# KiCad board PANEL.kicad_pcb
title: zensai65_UNI_i5; rev: v6; company: shoonie
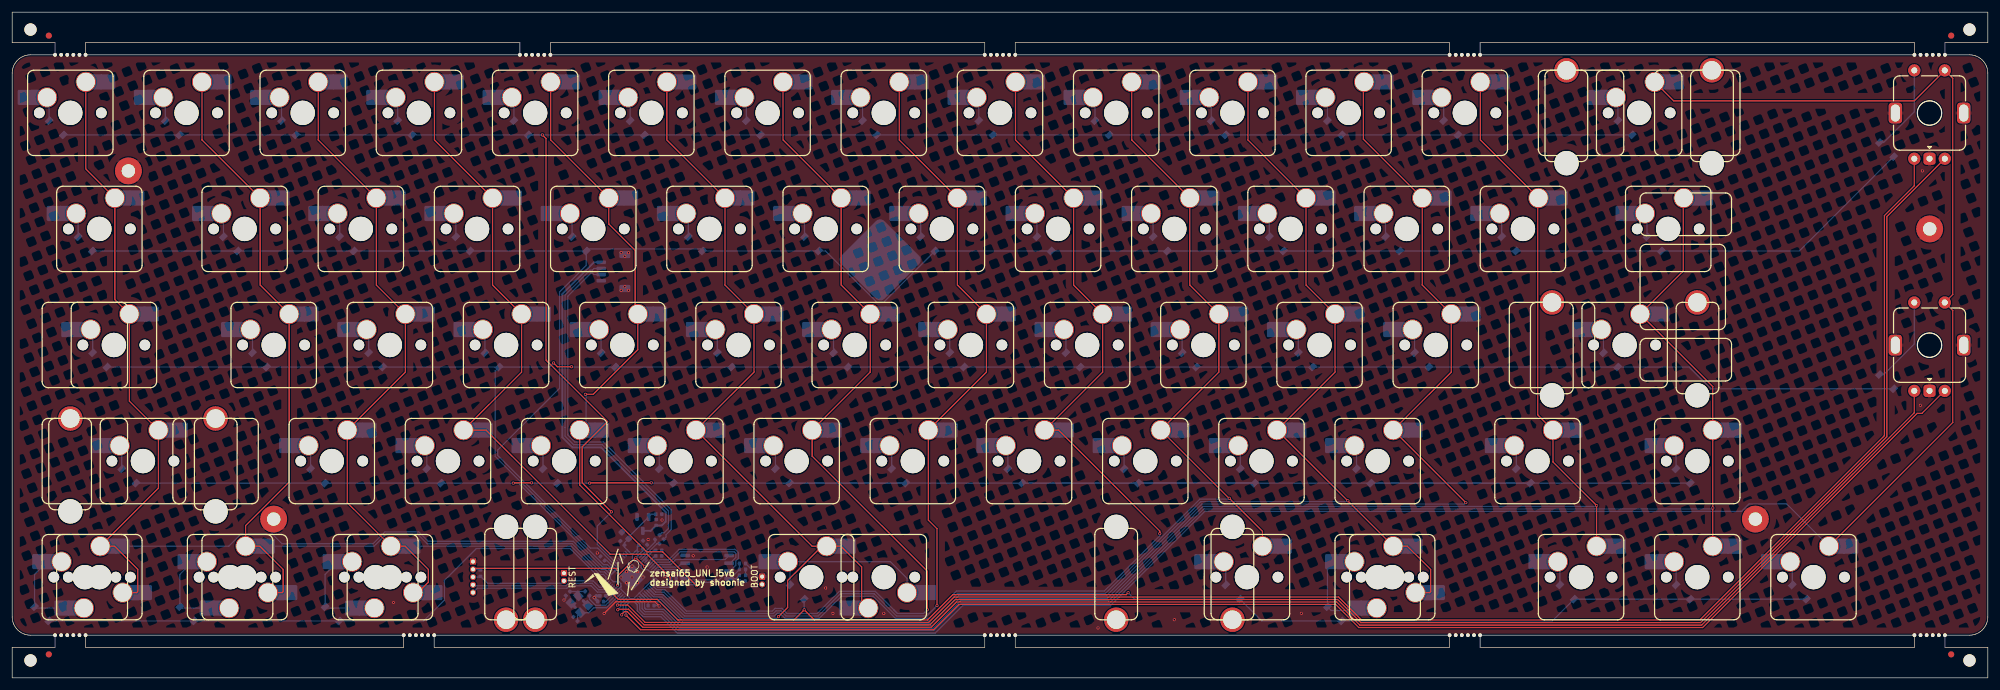
[diagram p0: board, top side]
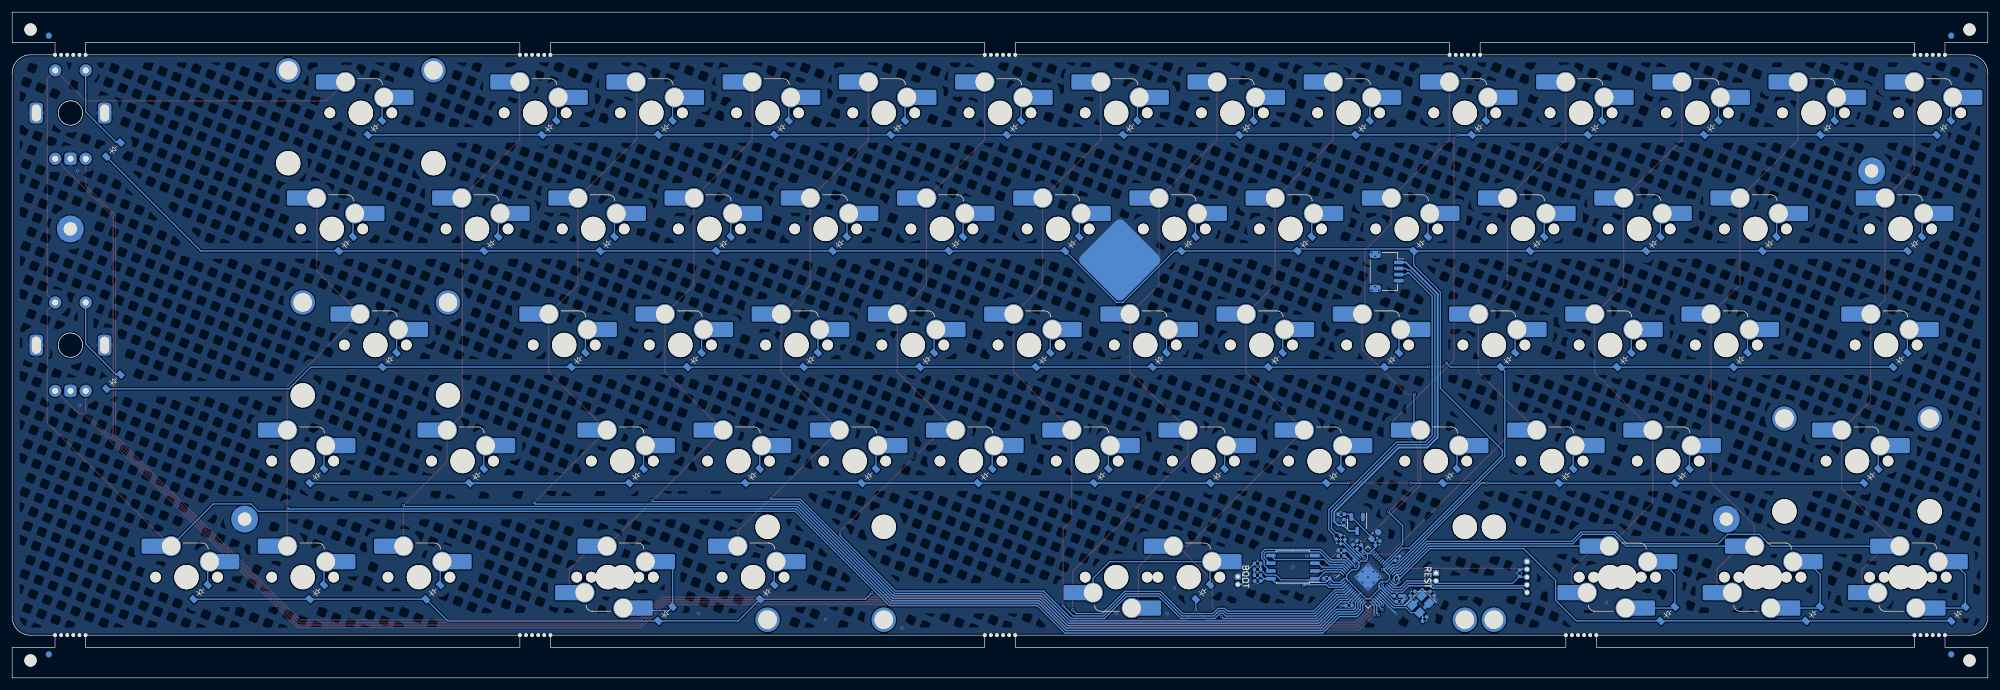
[diagram p1: board, bottom side, seen from below]

Outline 323.85 x 109.25 mm; copper layers: Top, Bottom. Coordinates in mm from the lower left corner of the outline.
Outline path: 0,109.25 0,104.25 7.02,104.25 7.02,102.25 3,102.25 2.84,102.25 2.69,102.23 2.53,102.21 2.38,102.19 2.22,102.15 2.07,102.1 1.92,102.05 1.78,101.99 1.64,101.92 1.5,101.85 1.37,101.77 1.24,101.68 1.11,101.58 0.99,101.48 0.88,101.37 0.77,101.26 0.67,101.14 0.57,101.01 0.48,100.88 0.4,100.75 0.33,100.61 0.26,100.47 0.2,100.33 0.15,100.18 0.1,100.03 0.07,99.87 0.04,99.72 0.02,99.56 0,99.41 0,99.25 0,10 0,9.85 0.02,9.7 0.03,9.55 0.06,9.4 0.1,9.25 0.14,9.1 0.19,8.96 0.24,8.82 0.31,8.68 0.38,8.55 0.45,8.41 0.54,8.29 0.63,8.16 0.72,8.05 0.83,7.93 0.93,7.83 1.05,7.72 1.16,7.63 1.29,7.54 1.41,7.46 1.54,7.38 1.68,7.31 1.82,7.24 1.96,7.19 2.1,7.14 2.25,7.1 2.4,7.06 2.55,7.04 2.7,7.02 2.85,7 3,7 7.02,7 7.02,5 0,5 0,0 323.85,0 323.85,5 316.82,5 316.82,7 320.85,7 321,7 321.15,7.02 321.3,7.04 321.45,7.06 321.6,7.1 321.75,7.14 321.89,7.19 322.03,7.24 322.17,7.31 322.31,7.38 322.44,7.46 322.56,7.54 322.69,7.63 322.8,7.72 322.92,7.83 323.02,7.93 323.13,8.05 323.22,8.16 323.31,8.29 323.4,8.41 323.47,8.55 323.54,8.68 323.61,8.82 323.66,8.96 323.71,9.1 323.75,9.25 323.79,9.4 323.82,9.55 323.83,9.7 323.85,9.85 323.85,10 323.85,99.25 323.85,99.4 323.83,99.55 323.82,99.71 323.79,99.85 323.75,100 323.71,100.15 323.66,100.29 323.61,100.43 323.54,100.57 323.47,100.71 323.4,100.84 323.31,100.96 323.22,101.09 323.13,101.21 323.02,101.32 322.92,101.43 322.8,101.53 322.69,101.62 322.56,101.71 322.44,101.8 322.31,101.87 322.17,101.94 322.03,102.01 321.89,102.06 321.75,102.11 321.6,102.16 321.45,102.19 321.3,102.22 321.15,102.24 321,102.25 320.85,102.25 316.82,102.25 316.82,104.25 323.85,104.25 323.85,109.25 0,109.25 ; 12.03,104.25 83.22,104.25 83.22,102.25 12.03,102.25 12.03,104.25 ; 12.03,7 64.17,7 64.17,5 12.03,5 12.03,7 ; 69.17,7 159.43,7 159.43,5 69.17,5 69.17,7 ; 88.22,104.25 159.43,104.25 159.43,102.25 88.22,102.25 88.22,104.25 ; 164.43,104.25 235.62,104.25 235.62,102.25 164.43,102.25 164.43,104.25 ; 164.43,7 235.62,7 235.62,5 164.43,5 164.43,7 ; 240.62,104.25 311.82,104.25 311.82,102.25 240.62,102.25 240.62,104.25 ; 240.62,7 311.82,7 311.82,5 240.62,5 240.62,7 ; 312.3,92.75 312.31,92.85 312.32,92.95 312.33,93.05 312.35,93.14 312.37,93.24 312.4,93.33 312.44,93.43 312.47,93.52 312.52,93.61 312.56,93.69 312.62,93.78 312.67,93.86 312.73,93.94 312.79,94.02 312.86,94.09 312.93,94.16 313,94.22 313.08,94.29 313.16,94.34 313.24,94.4 313.33,94.45 313.42,94.5 313.51,94.54 313.6,94.57 313.69,94.61 313.79,94.63 313.88,94.66 313.98,94.68 314.08,94.69 314.18,94.7 314.28,94.7 314.37,94.7 314.47,94.69 314.57,94.68 314.67,94.67 314.77,94.65 314.86,94.62 314.96,94.59 315.05,94.56 315.14,94.52 315.23,94.47 315.31,94.42 315.4,94.37 315.48,94.32 315.56,94.26 315.63,94.19 315.71,94.12 315.77,94.05 315.84,93.98 315.9,93.9 315.96,93.82 316.01,93.74 316.06,93.65 316.1,93.56 316.15,93.47 316.18,93.38 316.21,93.29 316.24,93.19 316.26,93.09 316.28,93 316.29,92.9 316.3,92.8 316.3,92.7 316.3,92.6 316.29,92.5 316.28,92.41 316.26,92.31 316.24,92.21 316.21,92.12 316.18,92.02 316.15,91.93 316.1,91.84 316.06,91.75 316.01,91.67 315.96,91.58 315.9,91.5 315.84,91.42 315.77,91.35 315.71,91.28 315.63,91.21 315.56,91.15 315.48,91.09 315.4,91.03 315.31,90.98 315.23,90.93 315.14,90.89 315.05,90.85 314.96,90.81 314.86,90.78 314.77,90.76 314.67,90.74 314.57,90.72 314.47,90.71 314.37,90.7 314.28,90.7 314.18,90.7 314.08,90.71 313.98,90.73 313.88,90.75 313.79,90.77 313.69,90.8 313.6,90.83 313.51,90.87 313.42,90.91 313.33,90.95 313.24,91 313.16,91.06 313.08,91.12 313,91.18 312.93,91.24 312.86,91.31 312.79,91.39 312.73,91.46 312.67,91.54 312.62,91.62 312.56,91.71 312.52,91.8 312.47,91.88 312.44,91.98 312.4,92.07 312.37,92.16 312.35,92.26 312.33,92.36 312.32,92.45 312.31,92.55 312.3,92.65 312.3,92.75 ; 312.3,54.65 312.31,54.75 312.32,54.85 312.33,54.95 312.35,55.04 312.37,55.14 312.4,55.23 312.44,55.33 312.47,55.42 312.52,55.51 312.56,55.59 312.62,55.68 312.67,55.76 312.73,55.84 312.79,55.92 312.86,55.99 312.93,56.06 313,56.12 313.08,56.19 313.16,56.24 313.24,56.3 313.33,56.35 313.42,56.4 313.51,56.44 313.6,56.47 313.69,56.51 313.79,56.53 313.88,56.56 313.98,56.58 314.08,56.59 314.18,56.6 314.28,56.6 314.37,56.6 314.47,56.59 314.57,56.58 314.67,56.57 314.77,56.55 314.86,56.52 314.96,56.49 315.05,56.46 315.14,56.42 315.23,56.37 315.31,56.32 315.4,56.27 315.48,56.22 315.56,56.16 315.63,56.09 315.71,56.02 315.77,55.95 315.84,55.88 315.9,55.8 315.96,55.72 316.01,55.64 316.06,55.55 316.1,55.46 316.15,55.37 316.18,55.28 316.21,55.19 316.24,55.09 316.26,54.99 316.28,54.9 316.29,54.8 316.3,54.7 316.3,54.6 316.3,54.5 316.29,54.4 316.28,54.31 316.26,54.21 316.24,54.11 316.21,54.02 316.18,53.92 316.15,53.83 316.1,53.74 316.06,53.65 316.01,53.57 315.96,53.48 315.9,53.4 315.84,53.32 315.77,53.25 315.71,53.18 315.63,53.11 315.56,53.05 315.48,52.99 315.4,52.93 315.31,52.88 315.23,52.83 315.14,52.79 315.05,52.75 314.96,52.71 314.86,52.68 314.77,52.66 314.67,52.64 314.57,52.62 314.47,52.61 314.37,52.6 314.28,52.6 314.18,52.6 314.08,52.61 313.98,52.63 313.88,52.65 313.79,52.67 313.69,52.7 313.6,52.73 313.51,52.77 313.42,52.81 313.33,52.85 313.24,52.9 313.16,52.96 313.08,53.02 313,53.08 312.93,53.14 312.86,53.21 312.79,53.29 312.73,53.36 312.67,53.44 312.62,53.52 312.56,53.61 312.52,53.7 312.47,53.78 312.44,53.88 312.4,53.97 312.37,54.06 312.35,54.16 312.33,54.26 312.32,54.35 312.31,54.45 312.3,54.55 312.3,54.65
Stack: Top 0.035mm / dielectric 1.51mm FR4 er 4.5 / Bottom 0.035mm

## Placement (name value [footprint] x y rotation side)
C1  1u  [C_0402_1005Metric]  105.56 25.49 90 bottom
C2  1u  [C_0402_1005Metric]  105.99 26.86 0 bottom
C3  10u  [C_0603_1608Metric]  100.48 23.36 135 bottom
C4  1u  [C_0402_1005Metric]  103.73 21.5 45 bottom
C5  100n  [C_0402_1005Metric]  105.99 20.01 0 bottom
C6  1u  [C_0402_1005Metric]  100.03 22.11 135 bottom
C7  100n  [C_0402_1005Metric]  103.07 22.16 45 bottom
C8  100n  [C_0402_1005Metric]  105.99 20.92 0 bottom
C9  100n  [C_0402_1005Metric]  96.77 19.6 135 bottom
C10  22p  [C_0402_1005Metric]  92.33 9.64 315 bottom
C11  22p  [C_0402_1005Metric]  91.08 13.83 45 bottom
C12  1u  [C_0402_1005Metric]  119.68 15.89 0 bottom
C13  100n  [C_0402_1005Metric]  96.82 13.45 180 bottom
C14  100n  [C_0402_1005Metric]  96.44 12.51 180 bottom
C15  100n  [C_0402_1005Metric]  108.36 16.3 0 bottom
C16  100n  [C_0402_1005Metric]  104.72 11.85 0 bottom
D1  D_Small  [D_SOD-123_CLEAN]  7.14 90.35 315 bottom
D2  D_Small  [D_SOD-123_CLEAN]  26.19 90.35 315 bottom
D3  D_Small  [D_SOD-123_CLEAN]  45.24 90.35 315 bottom
D4  D_Small  [D_SOD-123_CLEAN]  64.29 90.35 315 bottom
D5  D_Small  [D_SOD-123_CLEAN]  83.34 90.35 315 bottom
D6  D_Small  [D_SOD-123_CLEAN]  102.39 90.35 315 bottom
D7  D_Small  [D_SOD-123_CLEAN]  121.44 90.35 315 bottom
D8  D_Small  [D_SOD-123_CLEAN]  140.49 90.35 315 bottom
D9  D_Small  [D_SOD-123_CLEAN]  159.54 90.35 315 bottom
D10  D_Small  [D_SOD-123_CLEAN]  178.59 90.35 315 bottom
D11  D_Small  [D_SOD-123_CLEAN]  197.64 90.35 315 bottom
D12  D_Small  [D_SOD-123_CLEAN]  216.69 90.35 315 bottom
D13  D_Small  [D_SOD-123_CLEAN]  235.74 90.35 315 bottom
D15  D_Small  [D_SOD-123_CLEAN]  264.32 90.35 315 bottom
D17  D_Small  [D_SOD-123_CLEAN]  11.91 71.3 315 bottom
D18  D_Small  [D_SOD-123_CLEAN]  35.72 71.3 315 bottom
D19  D_Small  [D_SOD-123_CLEAN]  54.77 71.3 315 bottom
D20  D_Small  [D_SOD-123_CLEAN]  73.82 71.3 315 bottom
D21  D_Small  [D_SOD-123_CLEAN]  92.87 71.3 315 bottom
D22  D_Small  [D_SOD-123_CLEAN]  111.92 71.3 315 bottom
D23  D_Small  [D_SOD-123_CLEAN]  130.97 71.3 315 bottom
D24  D_Small  [D_SOD-123_CLEAN]  150.02 71.3 315 bottom
D25  D_Small  [D_SOD-123_CLEAN]  169.07 71.3 315 bottom
D26  D_Small  [D_SOD-123_CLEAN]  188.12 71.3 315 bottom
D27  D_Small  [D_SOD-123_CLEAN]  207.17 71.3 315 bottom
D28  D_Small  [D_SOD-123_CLEAN]  226.22 71.3 315 bottom
D29  D_Small  [D_SOD-123_CLEAN]  245.27 71.3 315 bottom
D31  D_Small  [D_SOD-123_CLEAN]  269.08 71.3 315 bottom
D32  D_Small  [D_SOD-123_CLEAN]  307.18 86.77 315 bottom
D34  D_Small  [D_SOD-123_CLEAN]  14.29 52.25 315 bottom
D35  D_Small  [D_SOD-123_CLEAN]  40.48 52.25 315 bottom
D36  D_Small  [D_SOD-123_CLEAN]  59.53 52.25 315 bottom
D37  D_Small  [D_SOD-123_CLEAN]  78.58 52.25 315 bottom
D38  D_Small  [D_SOD-123_CLEAN]  97.63 52.25 315 bottom
D39  D_Small  [D_SOD-123_CLEAN]  116.68 52.25 315 bottom
D40  D_Small  [D_SOD-123_CLEAN]  135.73 52.25 315 bottom
D41  D_Small  [D_SOD-123_CLEAN]  154.78 52.25 315 bottom
D42  D_Small  [D_SOD-123_CLEAN]  173.83 52.25 315 bottom
D43  D_Small  [D_SOD-123_CLEAN]  192.88 52.25 315 bottom
D44  D_Small  [D_SOD-123_CLEAN]  211.93 52.25 315 bottom
D45  D_Small  [D_SOD-123_CLEAN]  230.98 52.25 315 bottom
D46  D_Small  [D_SOD-123_CLEAN]  261.94 52.25 315 bottom
D48  D_Small  [D_SOD-123_CLEAN]  307.18 48.67 315 bottom
D50  D_Small  [D_SOD-123_CLEAN]  19.05 33.2 315 bottom
D52  D_Small  [D_SOD-123_CLEAN]  50.01 33.2 315 bottom
D53  D_Small  [D_SOD-123_CLEAN]  69.06 33.2 315 bottom
D54  D_Small  [D_SOD-123_CLEAN]  88.11 33.2 315 bottom
D55  D_Small  [D_SOD-123_CLEAN]  107.16 33.2 315 bottom
D56  D_Small  [D_SOD-123_CLEAN]  126.21 33.2 315 bottom
D57  D_Small  [D_SOD-123_CLEAN]  145.26 33.2 315 bottom
D58  D_Small  [D_SOD-123_CLEAN]  164.31 33.2 315 bottom
D59  D_Small  [D_SOD-123_CLEAN]  183.36 33.2 315 bottom
D60  D_Small  [D_SOD-123_CLEAN]  202.41 33.2 315 bottom
D61  D_Small  [D_SOD-123_CLEAN]  221.46 33.2 315 bottom
D62  D_Small  [D_SOD-123_CLEAN]  247.65 33.2 315 bottom
D63  D_Small  [D_SOD-123_CLEAN]  273.84 33.2 315 bottom
D64  D_Small  [D_SOD-123_CLEAN]  4.76 10.57 315 bottom
D66  D_Small  [D_SOD-123_CLEAN]  28.57 10.57 315 bottom
D68  D_Small  [D_SOD-123_CLEAN]  52.39 10.57 315 bottom
D70  D_Small  [D_SOD-123_CLEAN]  128.59 14.15 315 bottom
D72  D_Small  [D_SOD-123_CLEAN]  200.03 14.15 315 bottom
D74  D_Small  [D_SOD-123_CLEAN]  216.69 10.57 315 bottom  (not fitted)
D75  D_Small  [D_SOD-123_CLEAN]  254.79 14.15 315 bottom
D76  D_Small  [D_SOD-123_CLEAN]  273.84 14.15 315 bottom
D77  D_Small  [D_SOD-123_CLEAN]  292.89 14.15 315 bottom
H1  MountingHole_Pad  [MountingHole_2.2mm_M2_Pad]  19.05 83.2 0 top
H2  MountingHole_Pad  [MountingHole_2.2mm_M2_Pad]  42.86 26.05 0 top
H3  MountingHole_Pad  [MountingHole_2.2mm_M2_Pad]  314.32 73.68 0 top
H4  MountingHole_Pad  [MountingHole_2.2mm_M2_Pad]  285.75 26.05 0 top
H5  -  [info]  104.39 16.4 0 top
H7  MountingHole_Pad  [MountingHole_6mm_Pad]  142.28 68.6 180 bottom
J1  ZX-SH1.0-4PWT  [JST_SH_SM04B-SRSS-TB_1x04-1MP_P1.00mm_Horizontal]  98.55 66.69 270 bottom
J3  Conn_01x05  [PinHeader_1x05_P1.27mm_Vertical]  75.54 19.08 180 bottom
KiKit_FID_B_1  -  [Fiducial]  6 105.4 180 bottom
KiKit_FID_B_2  -  [Fiducial]  317.85 105.4 180 bottom
KiKit_FID_B_3  -  [Fiducial]  6 3.85 180 bottom
KiKit_FID_B_4  -  [Fiducial]  317.85 3.85 180 bottom
KiKit_FID_T_1  -  [Fiducial]  6 105.4 0 top
KiKit_FID_T_2  -  [Fiducial]  317.85 105.4 0 top
KiKit_FID_T_3  -  [Fiducial]  6 3.85 0 top
KiKit_FID_T_4  -  [Fiducial]  317.85 3.85 0 top
KiKit_MB_1_1  -  [NPTH]  316.82 7 0 top
KiKit_MB_1_2  -  [NPTH]  315.82 7 0 top
KiKit_MB_1_3  -  [NPTH]  314.82 7 0 top
KiKit_MB_1_4  -  [NPTH]  313.82 7 0 top
KiKit_MB_1_5  -  [NPTH]  312.82 7 0 top
KiKit_MB_1_6  -  [NPTH]  311.82 7 0 top
KiKit_MB_2_1  -  [NPTH]  164.43 7 0 top
KiKit_MB_2_2  -  [NPTH]  163.43 7 0 top
KiKit_MB_2_3  -  [NPTH]  162.43 7 0 top
KiKit_MB_2_4  -  [NPTH]  161.43 7 0 top
KiKit_MB_2_5  -  [NPTH]  160.43 7 0 top
KiKit_MB_2_6  -  [NPTH]  159.43 7 0 top
KiKit_MB_3_1  -  [NPTH]  69.17 7 0 top
KiKit_MB_3_2  -  [NPTH]  68.17 7 0 top
KiKit_MB_3_3  -  [NPTH]  67.17 7 0 top
KiKit_MB_3_4  -  [NPTH]  66.17 7 0 top
KiKit_MB_3_5  -  [NPTH]  65.17 7 0 top
KiKit_MB_3_6  -  [NPTH]  64.17 7 0 top
KiKit_MB_4_1  -  [NPTH]  311.82 102.25 0 top
KiKit_MB_4_2  -  [NPTH]  312.82 102.25 0 top
KiKit_MB_4_3  -  [NPTH]  313.82 102.25 0 top
KiKit_MB_4_4  -  [NPTH]  314.82 102.25 0 top
KiKit_MB_4_5  -  [NPTH]  315.82 102.25 0 top
KiKit_MB_4_6  -  [NPTH]  316.82 102.25 0 top
KiKit_MB_5_1  -  [NPTH]  240.62 7 0 top
KiKit_MB_5_2  -  [NPTH]  239.62 7 0 top
KiKit_MB_5_3  -  [NPTH]  238.62 7 0 top
KiKit_MB_5_4  -  [NPTH]  237.62 7 0 top
KiKit_MB_5_5  -  [NPTH]  236.62 7 0 top
KiKit_MB_5_6  -  [NPTH]  235.62 7 0 top
KiKit_MB_6_1  -  [NPTH]  12.03 7 0 top
KiKit_MB_6_2  -  [NPTH]  11.02 7 0 top
KiKit_MB_6_3  -  [NPTH]  10.02 7 0 top
KiKit_MB_6_4  -  [NPTH]  9.02 7 0 top
KiKit_MB_6_5  -  [NPTH]  8.02 7 0 top
KiKit_MB_6_6  -  [NPTH]  7.02 7 0 top
KiKit_MB_7_1  -  [NPTH]  83.22 102.25 0 top
KiKit_MB_7_2  -  [NPTH]  84.22 102.25 0 top
KiKit_MB_7_3  -  [NPTH]  85.22 102.25 0 top
KiKit_MB_7_4  -  [NPTH]  86.22 102.25 0 top
KiKit_MB_7_5  -  [NPTH]  87.22 102.25 0 top
KiKit_MB_7_6  -  [NPTH]  88.22 102.25 0 top
KiKit_MB_8_1  -  [NPTH]  159.43 102.25 0 top
KiKit_MB_8_2  -  [NPTH]  160.43 102.25 0 top
KiKit_MB_8_3  -  [NPTH]  161.43 102.25 0 top
KiKit_MB_8_4  -  [NPTH]  162.43 102.25 0 top
KiKit_MB_8_5  -  [NPTH]  163.43 102.25 0 top
KiKit_MB_8_6  -  [NPTH]  164.43 102.25 0 top
KiKit_MB_9_1  -  [NPTH]  235.62 102.25 0 top
KiKit_MB_9_2  -  [NPTH]  236.62 102.25 0 top
KiKit_MB_9_3  -  [NPTH]  237.62 102.25 0 top
KiKit_MB_9_4  -  [NPTH]  238.62 102.25 0 top
KiKit_MB_9_5  -  [NPTH]  239.62 102.25 0 top
KiKit_MB_9_6  -  [NPTH]  240.62 102.25 0 top
KiKit_MB_10_1  -  [NPTH]  7.02 102.25 0 top
KiKit_MB_10_2  -  [NPTH]  8.02 102.25 0 top
KiKit_MB_10_3  -  [NPTH]  9.02 102.25 0 top
KiKit_MB_10_4  -  [NPTH]  10.02 102.25 0 top
KiKit_MB_10_5  -  [NPTH]  11.02 102.25 0 top
KiKit_MB_10_6  -  [NPTH]  12.03 102.25 0 top
KiKit_TO_1  -  [NPTH#2]  3 106.4 0 top
KiKit_TO_2  -  [NPTH#2]  320.85 106.4 0 top
KiKit_TO_3  -  [NPTH#2]  3 2.85 0 top
KiKit_TO_4  -  [NPTH#2]  320.85 2.85 0 top
R3  5.1k  [R_0402_1005Metric]  76.76 17.17 90 bottom
R4  27  [R_0402_1005Metric]  106.43 22.37 225 bottom
R5  27  [R_0402_1005Metric]  105.75 23.06 225 bottom
R6  1k  [R_0402_1005Metric]  94.28 13.83 315 bottom
R7  1k  [R_0402_1005Metric]  119.71 18.76 180 bottom
R8  5.1k  [R_0402_1005Metric]  119.71 17.8 0 bottom
R9  5.1k  [R_0402_1005Metric]  119.71 16.83 180 bottom
S15  MX_stab  [STAB_MX_P_2u]  266.7 92.73 0 top
S47  MX_stab  [STAB_MX_P_2u]  264.32 54.63 0 top
S50  MX_stab  [STAB_MX_P_2u]  21.43 35.58 0 top
S70  MX_stab  [STAB_MX_P_6.25u]  130.97 16.53 180 top
S71  MX_stab  [STAB_MX_P_7u]  142.88 16.53 180 top
SW1  MX_SW_solder  [SW_MX_HS_S_CPG151101S11_1u]  9.52 92.73 180 bottom
SW2  MX_SW_solder  [SW_MX_HS_S_CPG151101S11_1u]  28.57 92.73 180 bottom
SW3  MX_SW_solder  [SW_MX_HS_S_CPG151101S11_1u]  47.62 92.73 180 bottom
SW4  MX_SW_solder  [SW_MX_HS_S_CPG151101S11_1u]  66.67 92.73 180 bottom
SW5  MX_SW_solder  [SW_MX_HS_S_CPG151101S11_1u]  85.72 92.73 180 bottom
SW6  MX_SW_solder  [SW_MX_HS_S_CPG151101S11_1u]  104.78 92.73 180 bottom
SW7  MX_SW_solder  [SW_MX_HS_S_CPG151101S11_1u]  123.83 92.73 180 bottom
SW8  MX_SW_solder  [SW_MX_HS_S_CPG151101S11_1u]  142.88 92.73 180 bottom
SW9  MX_SW_solder  [SW_MX_HS_S_CPG151101S11_1u]  161.93 92.73 180 bottom
SW10  MX_SW_solder  [SW_MX_HS_S_CPG151101S11_1u]  180.98 92.73 180 bottom
SW11  MX_SW_solder  [SW_MX_HS_S_CPG151101S11_1u]  200.02 92.73 180 bottom
SW12  MX_SW_solder  [SW_MX_HS_S_CPG151101S11_1u]  219.07 92.73 180 bottom
SW13  MX_SW_solder  [SW_MX_HS_S_CPG151101S11_1u]  238.12 92.73 180 bottom
SW15  MX_SW_solder  [SW_MX_HS_S_CPG151101S11_1u]  266.7 92.73 180 bottom
SW17  MX_SW_solder  [SW_MX_HS_S_CPG151101S11_1u]  14.29 73.68 180 bottom
SW18  MX_SW_solder  [SW_MX_HS_S_CPG151101S11_1u]  38.1 73.68 180 bottom
SW19  MX_SW_solder  [SW_MX_HS_S_CPG151101S11_1u]  57.15 73.68 180 bottom
SW20  MX_SW_solder  [SW_MX_HS_S_CPG151101S11_1u]  76.2 73.68 180 bottom
SW21  MX_SW_solder  [SW_MX_HS_S_CPG151101S11_1u]  95.25 73.68 180 bottom
SW22  MX_SW_solder  [SW_MX_HS_S_CPG151101S11_1u]  114.3 73.68 180 bottom
SW23  MX_SW_solder  [SW_MX_HS_S_CPG151101S11_1u]  133.35 73.68 180 bottom
SW24  MX_SW_solder  [SW_MX_HS_S_CPG151101S11_1u]  152.4 73.68 180 bottom
SW25  MX_SW_solder  [SW_MX_HS_S_CPG151101S11_1u]  171.45 73.68 180 bottom
SW26  MX_SW_solder  [SW_MX_HS_S_CPG151101S11_1u]  190.5 73.68 180 bottom
SW27  MX_SW_solder  [SW_MX_HS_S_CPG151101S11_1u]  209.55 73.68 180 bottom
SW28  MX_SW_solder  [SW_MX_HS_S_CPG151101S11_1u]  228.6 73.68 180 bottom
SW29  MX_SW_solder  [SW_MX_HS_S_CPG151101S11_1u]  247.65 73.68 180 bottom
SW30  MX_SW_solder  [SW_MX_HS_S_CPG151101S11_1u]  271.46 73.68 180 bottom
SW32  RotaryEncoder_Switch  [ROT_Alps_EC11E-Switch]  314.3 92.7 0 top
SW34  MX_SW_solder  [SW_MX_HS_S_CPG151101S11_1u]  16.67 54.63 180 bottom
SW35  MX_SW_solder  [SW_MX_HS_S_CPG151101S11_1u]  42.86 54.63 180 bottom
SW36  MX_SW_solder  [SW_MX_HS_S_CPG151101S11_1u]  61.91 54.63 180 bottom
SW37  MX_SW_solder  [SW_MX_HS_S_CPG151101S11_1u]  80.96 54.63 180 bottom
SW38  MX_SW_solder  [SW_MX_HS_S_CPG151101S11_1u]  100.01 54.63 180 bottom
SW39  MX_SW_solder  [SW_MX_HS_S_CPG151101S11_1u]  119.06 54.63 180 bottom
SW40  MX_SW_solder  [SW_MX_HS_S_CPG151101S11_1u]  138.11 54.63 180 bottom
SW41  MX_SW_solder  [SW_MX_HS_S_CPG151101S11_1u]  157.16 54.63 180 bottom
SW42  MX_SW_solder  [SW_MX_HS_S_CPG151101S11_1u]  176.21 54.63 180 bottom
SW43  MX_SW_solder  [SW_MX_HS_S_CPG151101S11_1u]  195.26 54.63 180 bottom
SW44  MX_SW_solder  [SW_MX_HS_S_CPG151101S11_1u]  214.31 54.63 180 bottom
SW45  MX_SW_solder  [SW_MX_HS_S_CPG151101S11_1u]  233.36 54.63 180 bottom
SW47  MX_SW_solder  [SW_MX_HS_S_CPG151101S11_1u]  264.32 54.63 180 bottom
SW48  RotaryEncoder_Switch  [ROT_Alps_EC11E-Switch]  314.3 54.6 0 top
SW50  MX_SW_solder  [SW_MX_HS_S_CPG151101S11_1u]  21.43 35.58 180 bottom
SW52  MX_SW_solder  [SW_MX_HS_S_CPG151101S11_1u]  52.39 35.58 180 bottom
SW53  MX_SW_solder  [SW_MX_HS_S_CPG151101S11_1u]  71.44 35.58 180 bottom
SW54  MX_SW_solder  [SW_MX_HS_S_CPG151101S11_1u]  90.49 35.58 180 bottom
SW55  MX_SW_solder  [SW_MX_HS_S_CPG151101S11_1u]  109.54 35.58 180 bottom
SW56  MX_SW_solder  [SW_MX_HS_S_CPG151101S11_1u]  128.59 35.58 180 bottom
SW57  MX_SW_solder  [SW_MX_HS_S_CPG151101S11_1u]  147.64 35.58 180 bottom
SW58  MX_SW_solder  [SW_MX_HS_S_CPG151101S11_1u]  166.69 35.58 180 bottom
SW59  MX_SW_solder  [SW_MX_HS_S_CPG151101S11_1u]  185.74 35.58 180 bottom
SW60  MX_SW_solder  [SW_MX_HS_S_CPG151101S11_1u]  204.79 35.58 180 bottom
SW61  MX_SW_solder  [SW_MX_HS_S_CPG151101S11_1u]  223.84 35.58 180 bottom
SW62  MX_SW_solder  [SW_MX_HS_S_CPG151101S11_1u]  250.03 35.58 180 bottom
SW63  MX_SW_solder  [SW_MX_HS_S_CPG151101S11_1u]  276.23 35.58 180 bottom
SW64  MX_SW_solder  [SW_MX_HS_S_CPG151101S11_1u]  11.91 16.53 180 bottom
SW65  MX_SW_solder  [SW_MX_HS_S_CPG151101S11_1u]  14.29 16.53 0 bottom
SW66  MX_SW_solder  [SW_MX_HS_S_CPG151101S11_1u]  35.72 16.53 180 bottom
SW67  MX_SW_solder  [SW_MX_HS_S_CPG151101S11_1u]  38.1 16.53 0 bottom
SW68  MX_SW_solder  [SW_MX_HS_S_CPG151101S11_1u]  59.53 16.53 180 bottom
SW69  MX_SW_solder  [SW_MX_HS_S_CPG151101S11_1u]  61.91 16.53 0 bottom
SW70  MX_SW_solder  [SW_MX_HS_S_CPG151101S11_1u]  130.97 16.53 180 bottom
SW71  MX_SW_solder  [SW_MX_HS_S_CPG151101S11_1u]  142.88 16.53 0 bottom
SW72  MX_SW_solder  [SW_MX_HS_S_CPG151101S11_1u]  202.41 16.53 180 bottom
SW73  MX_SW_solder  [SW_MX_HS_S_CPG151101S11_1u]  223.84 16.53 180 bottom
SW74  MX_SW_solder  [SW_MX_HS_S_CPG151101S11_1u]  226.22 16.53 0 bottom
SW75  MX_SW_solder  [SW_MX_HS_S_CPG151101S11_1u]  257.18 16.53 180 bottom
SW76  MX_SW_solder  [SW_MX_HS_S_CPG151101S11_1u]  276.23 16.53 180 bottom
SW77  MX_SW_solder  [SW_MX_HS_S_CPG151101S11_1u]  295.28 16.53 180 bottom
SW78  SW_RESET  [PinHeader_1x02_P1.27mm_Vertical]  90.45 17.18 0 top
SW79  SW_BOOTSEL  [PinHeader_1x02_P1.27mm_Vertical]  122.94 16.61 0 top
U1  RP2040  [QFN-56-1EP_7x7mm_P0.4mm_EP3.2x3.2mm]  101.6 16.53 135 bottom
U2  XC6206PxxxMR  [SOT-23-3]  103.38 25.26 270 bottom
U4  W25Q128JVS  [SOIC-8_5.23x5.23mm_P1.27mm]  113.92 18.18 0 bottom
Y1  Crystal_GND24  [Crystal_SMD_3225-4Pin_3.2x2.5mm]  92.96 12.08 315 bottom

## Library data of the parts
D1-D13 D15 D17-D29 D31 D32 D34-D46 D48 D50 D52-D64 D66 D68 D70 D72 D74-D77 = -: Sim.Device: D; Sim.Pins: 1=K 2=A
J1 = -: LCSC Part Number: C7430446; Manufacturer: Megastar
U1 = -: Datasheet: https://datasheets.raspberrypi.com/rp2040/rp2040-datasheet.pdf
U2 = -: Datasheet: https://www.torexsemi.com/file/xc6206/XC6206.pdf
U4 = -: Datasheet: http://www.winbond.com/resource-files/w25q128jv_dtr%20revc%2003272018%20plus.pdf

## Footprints (pads in the part's own frame, mm; a bottom-side part is the same pattern mirrored in y, then rotated)
C_0402_1005Metric
  rrect 0.56x0.62 smd: 1(-0.48,0) 2(0.48,0)
C_0603_1608Metric
  rrect 0.9x0.95 smd: 1(-0.775,0) 2(0.775,0)
Crystal_SMD_3225-4Pin_3.2x2.5mm
  rect 1.4x1.2 smd: 1(-1.1,-0.85) 2(1.1,-0.85) 3(1.1,0.85) 4(-1.1,0.85)
D_SOD-123_CLEAN
  rect 0.9x1.2 smd: 1(1.75,0) 2(-1.55,0)
Fiducial
  round 1 smd: (0,0)
JST_SH_SM04B-SRSS-TB_1x04-1MP_P1.00mm_Horizontal
  rrect 0.6x1.55 smd: 1(-1.5,2) 2(-0.5,2) 3(0.5,2) 4(1.5,2)
  rrect 1.2x1.8 smd: MP(-2.8,-1.875) MP(2.8,-1.875)
MountingHole_2.2mm_M2_Pad
  round 4.4 hole 2.2: 1(0,0)
MountingHole_6mm_Pad
  rrect 10x10 smd rot 135: 1(0,0)
NPTH
  round 0.6 hole 0.6 unplated: (0,0)
NPTH#2
  round 2 hole 2 unplated: (0,0)
PinHeader_1x02_P1.27mm_Vertical
  rect 1x1 hole 0.65: 1(0,0)
  oval 1x1 hole 0.65: 2(0,-1.27)
PinHeader_1x05_P1.27mm_Vertical
  rect 1x1 hole 0.65: 1(0,0)
  oval 1x1 hole 0.65: 2(0,-1.27) 3(0,-2.54) 4(0,-3.81) 5(0,-5.08)
QFN-56-1EP_7x7mm_P0.4mm_EP3.2x3.2mm
  rrect 1.29x1.29 smd: (-0.8,-0.8) (-0.8,0.8) (0.8,-0.8) (0.8,0.8)
  rrect 0.875x0.2 smd: 1(-3.438,2.6) 2(-3.438,2.2) 3(-3.438,1.8) 4(-3.438,1.4) 5(-3.438,1) 6(-3.438,0.6) 7(-3.438,0.2) 8(-3.438,-0.2) 9(-3.438,-0.6) 10(-3.438,-1) 11(-3.438,-1.4) 12(-3.438,-1.8) 13(-3.438,-2.2) 14(-3.438,-2.6) 29(3.438,-2.6) 30(3.438,-2.2) 31(3.438,-1.8) 32(3.438,-1.4) 33(3.438,-1) 34(3.438,-0.6) 35(3.438,-0.2) 36(3.438,0.2) 37(3.438,0.6) 38(3.438,1) 39(3.438,1.4) 40(3.438,1.8) 41(3.438,2.2) 42(3.438,2.6)
  rrect 0.2x0.875 smd: 15(-2.6,-3.438) 16(-2.2,-3.438) 17(-1.8,-3.438) 18(-1.4,-3.438) 19(-1,-3.438) 20(-0.6,-3.438) 21(-0.2,-3.438) 22(0.2,-3.438) 23(0.6,-3.438) 24(1,-3.438) 25(1.4,-3.438) 26(1.8,-3.438) 27(2.2,-3.438) 28(2.6,-3.438) 43(2.6,3.438) 44(2.2,3.438) 45(1.8,3.438) 46(1.4,3.438) 47(1,3.438) 48(0.6,3.438) 49(0.2,3.438) 50(-0.2,3.438) 51(-0.6,3.438) 52(-1,3.438) 53(-1.4,3.438) 54(-1.8,3.438) 55(-2.2,3.438) 56(-2.6,3.438)
  rect 3.2x3.2 smd: 57(0,0)
R_0402_1005Metric
  rrect 0.54x0.64 smd: 1(-0.51,0) 2(0.51,0)
ROT_Alps_EC11E-Switch
  round 2 hole 1: A(-2.5,-7.5) B(2.5,-7.5) S1(2.5,7) S2(-2.5,7)
  rrect 2x2 hole 1: C(0,-7.5)
  rrect 2.2x3.4 hole 1.5x2.8: MP(-5.6,0) MP(5.6,0)
SOIC-8_5.23x5.23mm_P1.27mm
  rrect 1.6x0.6 smd: 1(-3.6,1.905) 2(-3.6,0.635) 3(-3.6,-0.635) 4(-3.6,-1.905) 5(3.6,-1.905) 6(3.6,-0.635) 7(3.6,0.635) 8(3.6,1.905)
SOT-23-3
  rrect 1.325x0.6 smd: 1(-1.137,0.95) 2(-1.137,-0.95) 3(1.137,0)